# Altium PCB novena_evt1_a.PcbDoc (part 5 of 12)
Units mm, origin at the board's own origin, x right, y up, seen from the top; angles counter-clockwise.
Board outline 121 x 150 mm, 10 copper layers (Top, L2-GND, L3, L4, L5-PWR, L6-PWR, L7, L8, L9-GND, Bot), stack 1.621 mm thick; 951 components, 714 nets, 4891 pads, 2105 vias.
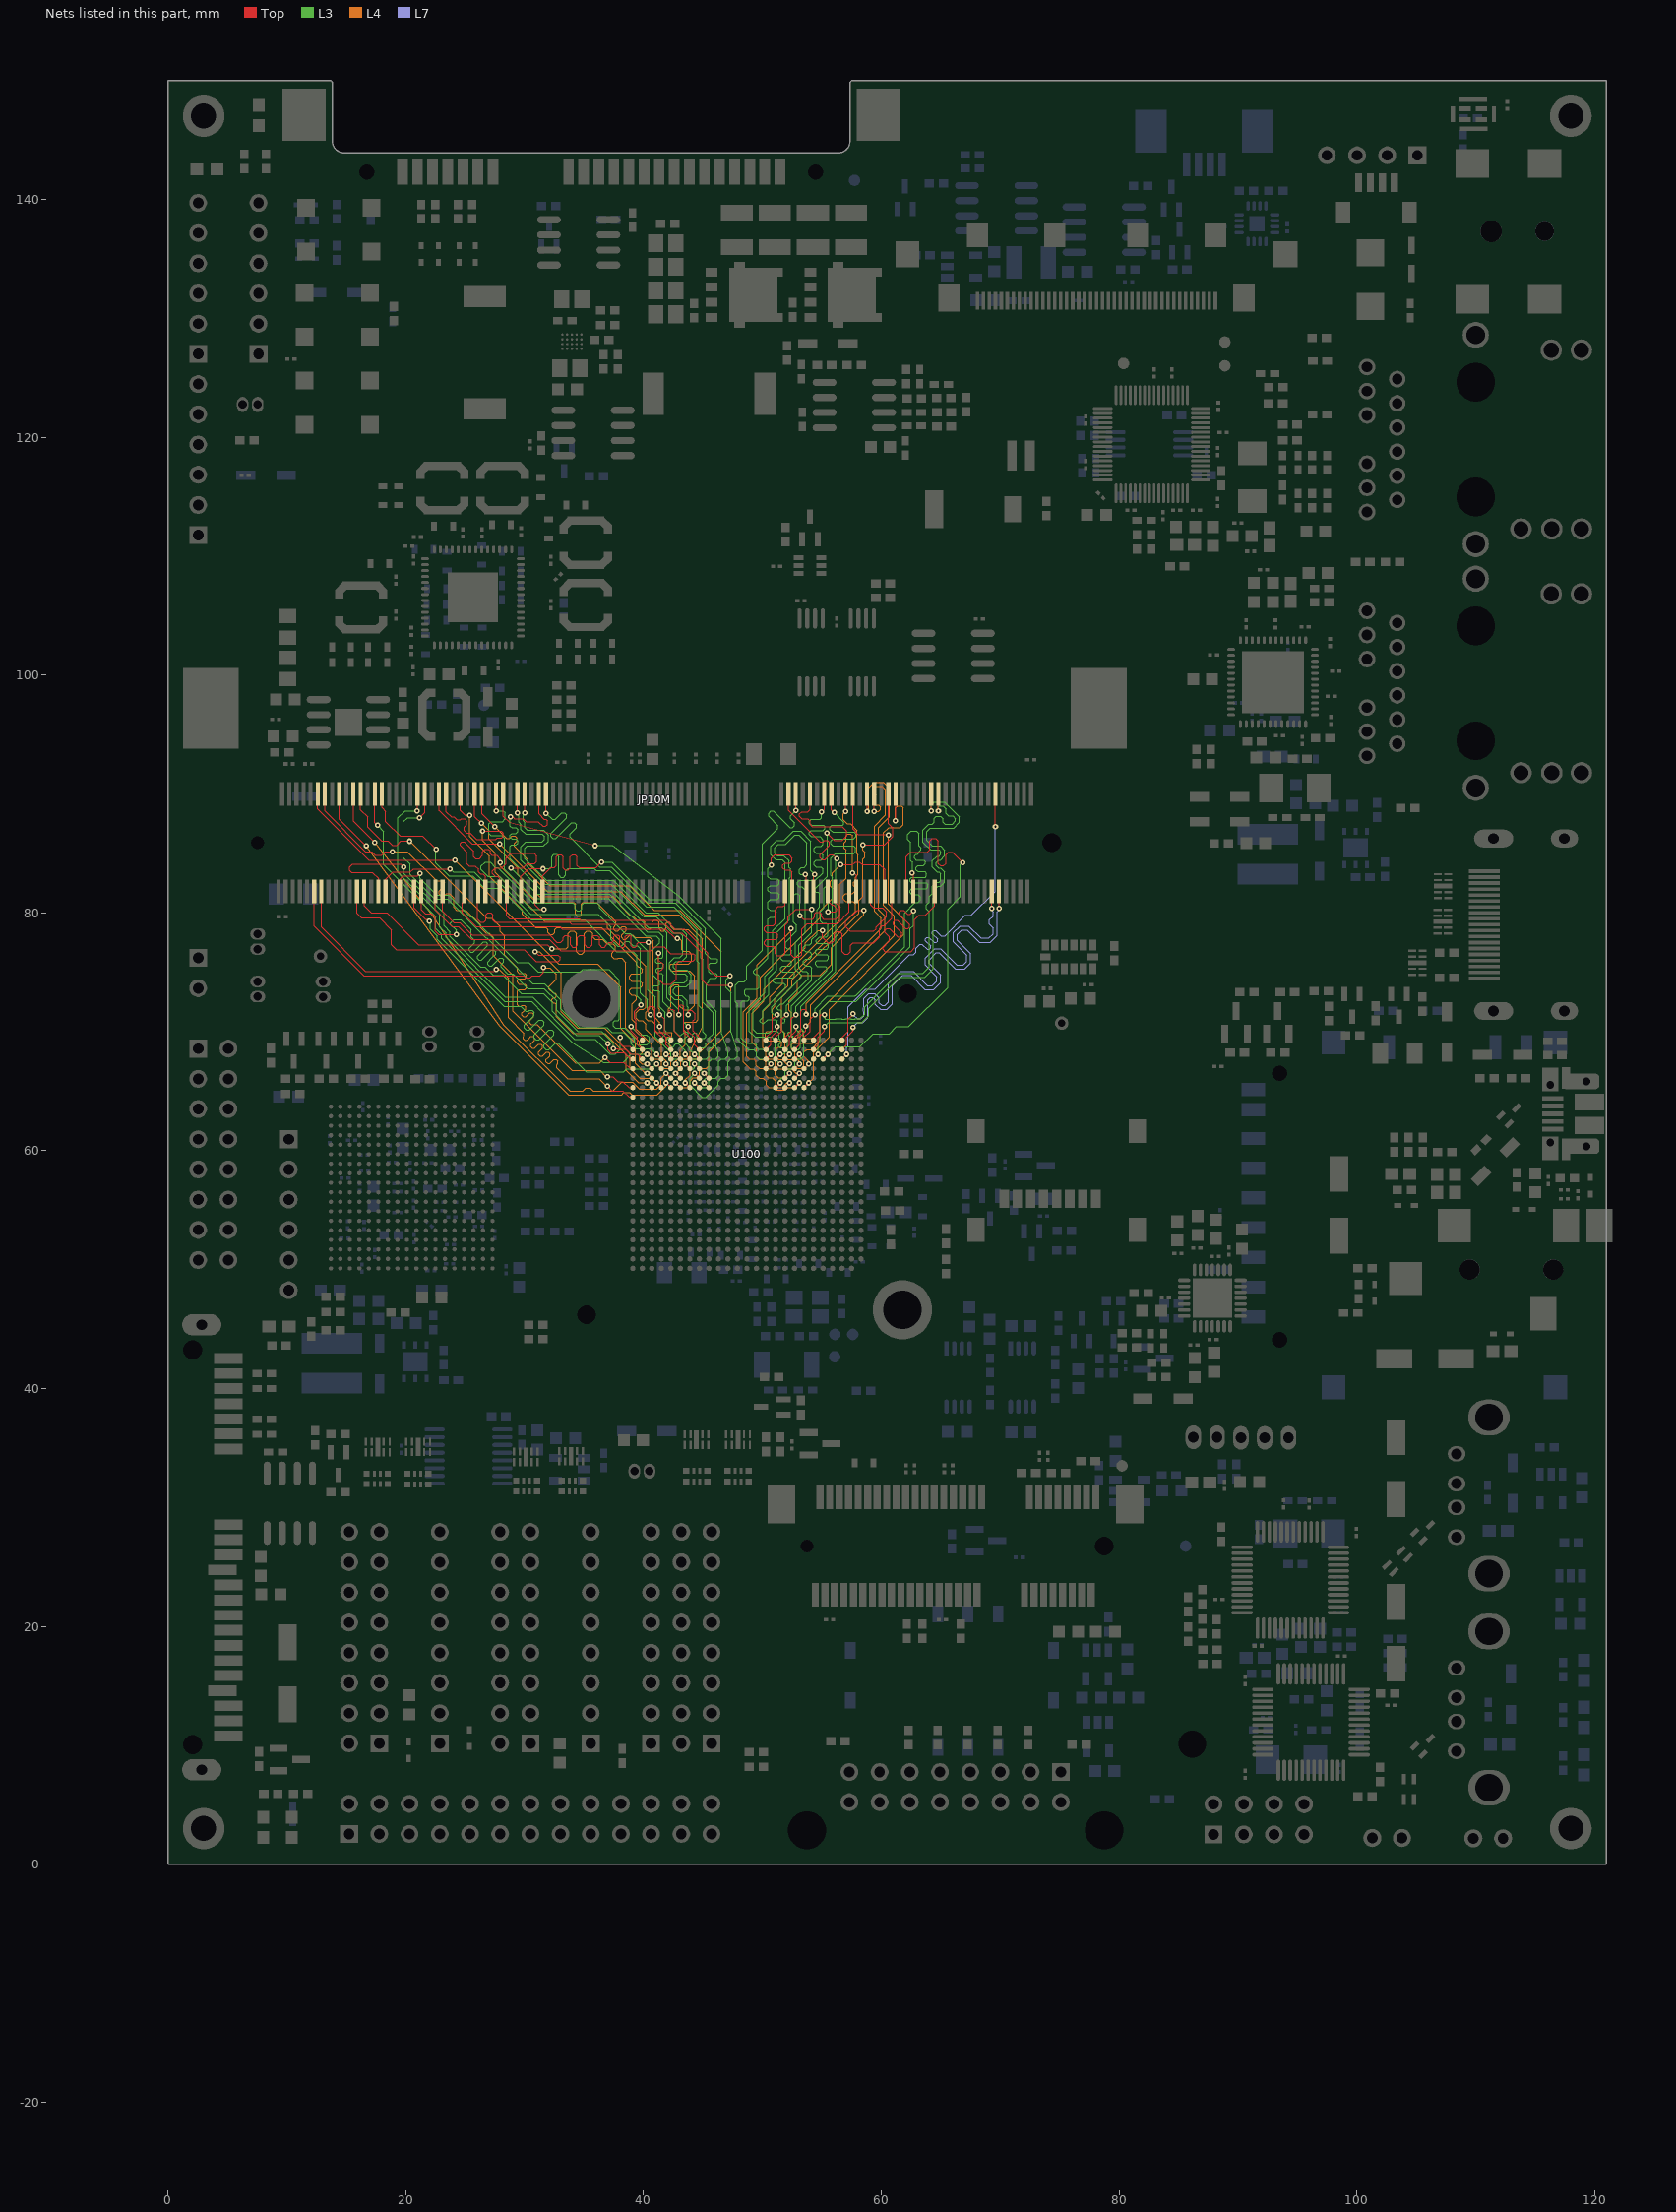
[diagram p13: the nets of this part, all layers, seen from the top]

## Via types
v1: diameter 0.508, hole 0.254, Top to Bot, tented both sides, 940 vias
v2: diameter 0.457, hole 0.203, Top to Bot, tented both sides, 793 vias
v3: diameter 0.762, hole 0.381, Top to Bot, tented both sides, 325 vias
v4: diameter 0.66, hole 0.33, Top to Bot, tented both sides, 23 vias
v5: diameter 0.66, hole 0.33, Top to Bot, tented top, 16 vias
v6: diameter 0.5, hole 0.254, Top to Bot, tented both sides, 8 vias

## Nets (pads, with @x,y where several pads share a name; then routed paths per layer and width w, separated by ;. In a path a pad name is that pad's centre, name@x,y a point inside that pad or via, vN(x,y) a via of type N, cw(c..) or ccw(c..) an arc to the next point about the centre after c; other vN are vias at no path point) (continued)
DDR3_D14: JP10M.34 U100.AE7 | length 36.1
  Top w0.096: U100.AE7@53.5,69.3 53.5,69.52 54.023,70.043 54.023,71.042 v2@54.428,71.448 ; v2(62.593,83.367) 62.702,83.257 JP10M.34@62.702,81.814
  L3 w0.096: v2@54.428,71.448 54.428,71.933 55.481,72.986 57.767,72.986 57.817,73.036 57.867,73.036 61.958,77.126 61.958,79.976 62.856,80.875 63.096,80.875 63.3,81.079 63.3,81.325 63.084,81.541 62.558,81.541 62.413,81.686 62.413,81.879 62.558,82.024 63.778,82.024 63.923,82.169 63.923,82.362 63.778,82.506 62.558,82.506 62.413,82.651 62.413,82.844 62.558,82.989 63.706,82.989 63.808,83.09 63.808,83.327 63.663,83.472 63.071,83.472 62.927,83.616 62.927,83.81 63.071,83.954 63.52,83.954 63.703,84.138 63.703,84.318 63.584,84.437 62.921,84.437 62.777,84.582 62.777,84.775 62.921,84.919 63.03,84.919 63.175,85.064 63.175,85.151 63.33,85.306 63.33,85.479 63.175,85.634 63.175,86.675 62.975,86.875 62.525,86.875 62.225,86.575 62.225,86.175 62.475,85.925 62.475,84.4 62.625,84.25 62.625,83.399 v2(62.593,83.367)
  other v2: 54.45,71.448
DDR3_D15: JP10M.36 U100.AC5 | length 36.1
  Top w0.096: U100.AC5@55.1,67.7 v2(55.5,68.1) ; JP10M.36@62.102,81.814 62.102,84.738 62.466,85.101 63.88,85.101 64.086,85.307 64.086,86.045 64.291,86.25 64.566,86.25 64.771,86.045 64.771,84.158 64.977,83.952 65.251,83.952 65.457,84.158 65.457,84.896 65.663,85.101 65.971,85.101 v2(66.834,84.238)
  L3 w0.096: v2(55.5,68.1) 56.144,68.744 58.208,68.744 59.3,69.836 60.688,69.836 61.272,70.42 62.313,70.42 65.59,73.697 65.59,80.29 66.66,81.36 66.66,84.063 v2(66.834,84.238)
DDR3_D16: JP10M.39 U100.AB7 | length 31.4
  Top w0.096: U100.AB7@53.5,66.9 v2(53.9,67.3) ; v2(61.196,87.743) 61.196,87.718 61.202,87.724 JP10M.39@61.202,90.014
  L4 w0.096: v2(53.9,67.3) 53.9,67.505 53.499,67.906 53.499,68.271 53.728,68.499 54.084,68.499 54.846,69.262 54.846,71.821 61.1,78.075 61.1,79.7 60.18,80.62 60.18,86.727 60.626,87.174 61.599,87.174 61.825,87.4 61.825,88.85 61.675,89 61.371,89 61.196,88.825 v2(61.196,87.743)
DDR3_D17: JP10M.41 U100.AC8 | length 31.4
  Top w0.096: U100.AC8@52.7,67.7 v2(53.1,68.1) ; v2(58.452,85.711) 60.286,85.711 60.975,86.4 60.975,87.125 60.602,87.499 JP10M.41@60.602,90.014
  L4 w0.096: v2(53.1,68.1) 53.1,67.924 53.499,67.525 53.499,67.118 53.3,66.919 52.942,66.919 52.719,67.142 52.719,67.445 52.483,67.681 52.124,67.681 51.902,67.902 51.902,69.858 51.62,70.141 51.62,72.884 52.509,73.773 52.509,74.357 58.122,79.971 58.122,81.037 58.452,81.368 58.452,84.508 58.603,84.659 58.603,85.105 58.452,85.255 v2(58.452,85.711)
DDR3_D18: JP10M.51 U100.Y7 | length 31.4
  Top w0.096: U100.Y7@53.5,65.3 v2(53.9,65.7) ; JP10M.51@57.602,90.014 57.602,87.023 58.05,86.575 60.561,86.575 v2(60.586,86.549)
  L4 w0.096: v2(53.9,65.7) 54.312,66.112 54.312,68.261 55.625,69.574 55.625,71.9 61.9,78.175 61.9,79.45 60.586,80.764 v2(60.586,86.549)
DDR3_D19: JP10M.53 U100.AB9 | length 31.4
  Top w0.096: U100.AB9@51.9,66.9 v2(52.3,67.3) ; v2(57.002,88.533) JP10M.53@57.002,90.014
  L4 w0.096: v2(52.3,67.3) 52.039,67.3 51.658,67.681 51.362,67.681 51.086,67.956 51.086,68.464 51.315,68.693 51.493,68.693 51.62,68.82 51.62,69.099 51.467,69.252 50.451,69.252 50.274,69.43 50.274,69.911 50.393,70.03 50.713,70.03 50.832,70.149 50.832,71.906 51.042,72.116 51.042,72.763 52.153,73.875 52.153,74.459 57.817,80.123 57.817,80.73 57.612,80.935 57.004,80.935 56.798,81.141 56.798,81.416 57.004,81.621 57.575,81.621 57.817,81.864 57.817,82.125 57.675,82.267 57.675,82.558 57.817,82.7 57.817,82.996 58.046,83.225 58.046,84.873 57.97,84.949 57.97,86.905 57.4,87.475 57.125,87.475 56.775,87.825 56.775,88.306 v2(57.002,88.533)
DDR3_D20: JP10M.40 U100.AA9 | length 31.4
  Top w0.096: U100.AA9@51.9,66.1 v2(52.3,66.5) ; v2(55.049,78.523) 55.049,77.925 55.499,77.475 55.837,77.475 56.043,77.681 56.043,78.24 56.249,78.445 56.523,78.445 56.729,78.24 56.729,76.71 56.934,76.505 57.209,76.505 57.415,76.71 57.415,77.269 57.62,77.475 59.35,77.475 59.85,77.975 59.85,78.679 60.1,78.929 60.281,78.929 60.891,79.539 60.891,80.431 60.902,80.442 JP10M.40@60.902,81.814
  L4 w0.096: v2(52.3,66.5) 51.919,66.119 51.342,66.119 51.086,66.375 51.086,66.653 50.858,66.881 50.482,66.881 50.281,67.082 50.281,67.458 50.058,67.681 49.742,67.681 49.738,67.677 49.512,67.904 49.512,68.744 49.126,69.129 49.126,71.559 50.147,72.579 50.147,73.57 53.626,77.05 53.626,77.481 54.668,78.523 v2(55.049,78.523)
DDR3_D21: JP10M.42 U100.Y9 | length 31.4
  Top w0.096: U100.Y9@51.9,65.3 v2(52.3,65.7) ; v2(56.575,84.05) 57.6,84.05 57.825,84.275 58.175,84.275 58.4,84.05 59.875,84.05 60.302,83.623 JP10M.42@60.302,81.814
  L4 w0.096: v2(52.3,65.7) 52.081,65.7 51.696,65.315 51.34,65.315 51.112,65.543 51.112,65.827 50.82,66.119 50.485,66.119 50.281,66.323 50.281,66.679 50.041,66.919 49.742,66.919 49.486,67.175 49.486,67.525 49.292,67.719 48.885,67.719 48.699,67.906 48.699,71.563 49.842,72.706 49.842,74.592 54.84,79.59 54.84,80.165 55.875,81.2 55.875,82.065 55.707,82.233 55.707,82.664 55.875,82.832 55.875,83.35 v2(56.575,84.05)
DDR3_D22: JP10M.50 U100.AA8 | length 31.4
  Top w0.096: U100.AA8@52.7,66.1 v2(53.1,66.5) ; v2(57.563,83.349) 57.69,83.349 57.902,83.137 JP10M.50@57.902,81.814
  L4 w0.096: v2(53.1,66.5) 52.839,66.5 52.458,66.881 51.273,66.881 51.086,67.067 51.086,67.525 50.909,67.702 50.524,67.702 50.281,67.946 50.281,68.406 50.045,68.642 50.045,71.716 50.629,72.3 50.629,72.935 51.721,74.027 51.721,74.586 56.497,79.361 56.497,82.384 57.025,82.912 57.025,85.278 56.868,85.435 56.868,85.886 57.025,86.042 57.025,86.475 57.175,86.625 57.425,86.625 57.563,86.487 v2(57.563,83.349)
DDR3_D23: JP10M.52 U100.Y8 | length 31.5
  Top w0.096: v2(52.407,78.675) 52.407,76.493 52.625,76.275 53.075,76.275 53.3,76.5 53.3,78.625 53.782,79.107 56.319,79.107 57.302,80.09 JP10M.52@57.302,81.814 ; U100.Y8@52.7,65.3 v2(53.1,65.7)
  L4 w0.096: v2(52.407,78.675) 52.407,78.472 49.537,75.602 49.537,72.833 48.394,71.69 48.394,67.448 48.953,66.89 49.25,66.89 49.481,66.658 49.481,66.361 49.761,66.081 50.066,66.081 50.319,65.828 50.319,65.523 50.523,65.319 50.93,65.319 51.163,65.086 51.925,65.086 52.153,65.315 52.715,65.315 v2(53.1,65.7)
DDR3_D24: JP10M.57 U100.AE9 | length 31.4
  Top w0.096: U100.AE9@51.9,69.3 51.9,69.52 52.423,70.043 52.423,71.042 v2(52.828,71.448) ; JP10M.57@55.802,90.014 55.802,88.666 v2(56.039,88.429)
  L3 w0.096: v2(52.828,71.448) 52.828,72.136 55.883,75.191 55.883,82.999 55.757,83.125 55.757,84.606 56.126,84.975 57.675,84.975 57.825,85.125 57.825,85.45 57.658,85.617 55.932,85.617 55.757,85.792 55.757,86.026 55.932,86.201 57.67,86.201 57.874,86.405 57.874,86.617 57.705,86.786 55.907,86.786 55.683,87.009 55.683,87.194 55.858,87.37 56.77,87.37 56.85,87.45 56.85,87.618 v2(56.039,88.429)
DDR3_D25: JP10M.59 U100.AE11 | length 31.4
  Top w0.096: U100.AE11@50.3,69.3 50.3,69.52 50.823,70.043 50.823,71.042 v2(51.228,71.448) ; v2(54.973,88.48) 55.202,88.709 JP10M.59@55.202,90.014
  L3 w0.096: v2(51.228,71.448) 50.948,71.448 50.782,71.614 50.782,72.082 53.271,74.571 53.271,74.738 52.763,75.246 52.763,77.507 53.6,78.344 53.6,81.9 53.3,82.2 53.075,82.2 52.925,82.35 52.925,82.55 53.1,82.725 54.447,82.725 55.082,83.36 55.082,83.684 54.925,83.842 54.529,83.842 54.353,84.017 54.353,84.251 54.529,84.426 54.925,84.426 55.1,84.602 55.1,84.835 54.925,85.011 54.529,85.011 54.353,85.186 54.353,85.419 54.529,85.595 54.925,85.595 55.1,85.77 55.1,86.144 54.828,86.416 54.101,86.416 53.957,86.561 53.957,86.754 54.101,86.899 55.09,86.899 55.278,87.087 55.278,87.237 55.134,87.381 54.101,87.381 53.957,87.526 53.957,87.719 54.101,87.864 54.844,87.864 54.973,87.993 v2(54.973,88.48)
DDR3_D26: JP10M.67 U100.AB11 | length 31.4
  Top w0.096: U100.AB11@50.3,66.9 v2(50.7,67.3) ; v2(52.802,88.598) JP10M.67@52.802,90.014
  L3 w0.096: 47.911,71.945 47.911,69.379 48.8,68.49 49.283,68.49 49.512,68.261 49.512,67.931 49.74,67.702 50.299,67.702 v2(50.7,67.3) v2(50.7,67.3) ; 47.912,71.945 47.912,72.197 ; 47.911,72.198 47.911,72.323 47.734,72.501 47.734,73.918 48.038,74.223 48.475,74.223 48.675,74.423 48.675,75.525 49.994,76.844 49.994,85.79 51.297,87.093 51.297,87.341 50.525,88.113 50.525,88.35 50.725,88.55 50.915,88.55 52.307,87.157 52.532,87.157 52.716,87.341 52.716,87.575 52.371,87.92 52.371,88.167 v2(52.802,88.598)
DDR3_D27: JP10M.69 U100.Y10 | length 31.4
  Top w0.096: U100.Y10@51.1,65.3 v2(51.5,65.7) ; JP10M.69@52.202,90.014 52.202,88.591 54.84,85.953 55.088,85.953 55.223,86.088 55.453,86.088 55.626,85.915 55.626,85.665 54.83,84.869 54.83,84.622 54.995,84.456 55.243,84.456 55.666,84.879 55.914,84.879 v2(56.243,84.55)
  L3 w0.096: v2(51.5,65.7) 51.5,65.948 51.902,66.35 51.902,66.662 52.139,66.899 52.443,66.899 52.72,67.175 52.72,67.462 52.964,67.706 53.251,67.706 53.499,67.955 53.499,70.014 53.245,70.268 53.245,72.122 56.178,75.055 56.178,83.138 56.159,83.157 56.159,84.484 v2@56.225,84.55
DDR3_D28: JP10M.56 U100.AD11 | length 31.4
  Top w0.096: U100.AD11@50.3,68.5 50.7,68.9 50.7,69.523 51.228,70.051 v2(51.228,70.432) ; v2(53.144,79.767) 53.436,79.475 54.217,79.475 54.392,79.65 54.392,79.925 54.517,80.05 54.826,80.05 54.976,79.9 54.976,79.65 55.152,79.475 56.175,79.475 56.55,79.85 56.55,80.475 56.1,80.925 JP10M.56@56.1,81.8 ; JP10M.56@56.102,81.8 JP10M.56@56.102,81.814
  L3 w0.096: v2(51.228,70.432) 51.228,70.939 51.137,71.03 50.451,71.03 50.096,70.674 49.994,70.674 49.816,70.852 49.816,70.979 50.045,71.208 50.045,71.82 51.95,73.725 51.95,73.918 51.805,74.063 51.079,74.063 50.934,74.208 50.934,74.401 51.079,74.546 52.554,74.546 52.699,74.69 52.699,74.884 52.554,75.028 51.688,75.028 51.543,75.173 51.543,75.366 51.688,75.511 52.316,75.511 52.461,75.656 52.461,75.849 52.316,75.994 51.688,75.994 51.543,76.138 51.543,76.331 51.688,76.476 52.316,76.476 52.461,76.621 52.461,76.814 52.316,76.959 52.095,76.959 51.95,77.103 51.95,77.532 52.871,78.454 52.871,78.954 52.625,79.2 52.625,81.45 52.8,81.625 52.95,81.625 53.144,81.431 v2(53.144,79.767)
DDR3_D29: JP10M.58 U100.AD9 | length 31.5
  Top w0.096: U100.AD9@51.9,68.5 52.3,68.9 52.3,69.523 52.828,70.051 v2(52.828,70.432) ; v2(55.5,80.075) 56.123,80.075 56.248,80.2 56.248,80.35 55.951,80.648 55.862,80.648 55.5,81.009 JP10M.58@55.5,81.8
  L3 w0.096: v2(52.828,70.432) 52.828,70.177 53.195,69.811 53.195,68.668 53.017,68.49 52.61,68.49 52.433,68.668 52.433,69.226 52.585,69.379 52.585,69.607 52.534,69.658 52.229,69.658 52.153,69.734 52.153,69.912 52.204,69.963 52.356,69.963 52.433,70.039 52.433,72.173 54.85,74.59 54.855,74.59 55.431,75.165 55.431,75.359 55.286,75.503 54.606,75.503 54.461,75.648 54.461,75.841 54.606,75.986 55.411,75.986 55.556,76.131 55.556,76.324 55.411,76.469 54.606,76.469 54.461,76.613 54.461,76.806 54.606,76.951 55.411,76.951 55.556,77.096 55.556,77.289 55.411,77.434 54.641,77.434 54.525,77.55 54.525,77.699 54.813,77.987 55.387,77.987 55.502,78.102 55.502,78.997 55.357,79.141 55.038,79.141 54.893,79.286 54.893,80.142 55.162,80.41 55.162,82.062 55.3,82.2 55.456,82.2 55.556,82.1 55.556,80.131 v2(55.5,80.075)
DDR3_D30: JP10M.68 U100.AC11 | length 31.4
  Top w0.096: U100.AC11@50.3,67.7 50.662,68.062 v2@50.662,68.1 ; v2(50.756,84.009) 50.756,84.606 51.025,84.875 52.225,84.875 52.502,84.598 52.502,84.352 52.326,84.176 51.894,84.176 51.719,84.001 51.719,83.767 51.894,83.592 52.326,83.592 52.502,83.417 JP10M.68@52.502,81.814
  L3 w0.096: v2@50.662,68.1 50.222,68.541 49.631,68.541 49.512,68.66 49.512,68.904 49.393,69.023 48.673,69.023 48.242,69.455 48.242,72.478 48.367,72.603 48.757,72.603 48.877,72.722 48.877,72.891 48.757,73.01 48.615,73.01 48.496,73.129 48.496,73.468 48.597,73.57 49.562,73.57 49.715,73.722 49.715,74.702 49.596,74.821 49.377,74.821 49.258,74.94 49.258,75.108 49.457,75.308 49.573,75.308 50.477,76.211 50.477,79.444 50.65,79.618 50.995,79.618 51.168,79.791 51.168,80.022 50.995,80.196 50.65,80.196 50.477,80.369 50.477,80.93 50.652,81.105 51.231,81.105 51.406,81.281 51.406,81.514 51.231,81.689 50.652,81.689 50.477,81.865 50.477,82.098 50.652,82.274 51.231,82.274 51.406,82.449 51.406,82.683 51.231,82.858 50.652,82.858 50.477,83.033 50.477,83.73 v2(50.756,84.009)
  other v2: 50.7,68.1
DDR3_D31: JP10M.70 U100.AC9 | length 31.4
  Top w0.096: U100.AC9@51.9,67.7 v2(52.3,68.1) ; JP10M.70@51.902,81.814 51.902,80.675 51.752,80.525 51.35,80.525 51.075,80.25 51.075,79.095 50.9,78.92 50.345,78.92 50.17,78.744 50.17,78.511 50.345,78.335 51.103,78.335 51.278,78.16 51.278,77.927 51.103,77.751 50.345,77.751 50.17,77.576 50.17,77.342 50.345,77.167 50.9,77.167 51.075,76.992 51.075,76.55 51.225,76.4 51.75,76.4 51.925,76.575 51.925,78.95 52.175,79.2 52.175,79.676 52.8,80.301 v2(54.134,80.301)
  L3 w0.096: v2(52.3,68.1) 52.131,68.269 52.131,68.563 52.128,68.566 52.128,69.201 52.026,69.303 51.899,69.303 51.823,69.379 51.823,69.912 51.62,70.115 51.62,70.649 51.747,70.776 51.848,70.776 51.925,70.852 51.925,71.03 51.848,71.106 51.696,71.106 51.62,71.182 51.62,71.741 51.518,71.843 51.315,71.843 51.239,71.919 51.239,72.046 51.544,72.351 51.747,72.351 53.855,74.459 53.855,74.916 53.677,75.094 53.347,75.094 53.068,75.373 53.068,77.278 54.134,78.345 v2(54.134,80.301)
DDR3_D32: JP10M.129 U100.AA17 | length 39
  Top w0.096: v2(31.8,88.375) 31.802,88.377 JP10M.129@31.802,90.014 ; v2(45.1,66.5) U100.AA17@45.5,66.1
  L3 w0.096: v2(31.8,88.375) 32.32,87.855 32.568,87.855 33.102,88.389 33.35,88.389 33.515,88.223 33.515,87.976 32.199,86.66 32.199,86.412 32.365,86.247 32.613,86.247 33.928,87.562 34.176,87.562 34.341,87.397 34.341,87.149 33.807,86.616 33.807,86.368 36.318,83.857 37.311,83.857 40.36,80.809 42.659,80.809 44.838,78.63 44.838,76.211 44.99,76.059 44.99,73.875 ; 44.99,73.875 44.99,72.954 44.99,72.448 45.854,71.584 45.854,69.836 45.498,69.48 45.498,69.192 45.618,69.073 45.76,69.073 45.879,68.954 45.879,68.785 45.76,68.666 45.618,68.666 45.498,68.547 45.498,67.906 45.295,67.702 44.94,67.702 44.686,67.448 44.686,66.915 v2(45.1,66.5)
DDR3_D33: JP10M.131 U100.AE19 | length 39.2
  Top w0.096: v2@28.775,88.05 29.024,88.05 29.15,87.924 29.876,87.924 30.15,87.65 31.15,87.65 31.525,87.275 31.75,87.275 31.9,87.425 31.9,87.75 31.775,87.875 31.625,87.875 31.2,88.3 JP10M.131@31.2,90 ; JP10M.131@31.202,90 JP10M.131@31.202,90.014 ; v2(42.972,71.448) 42.972,72.161 43.085,72.274 43.238,72.274 43.377,72.135 43.377,70.043 43.9,69.52 U100.AE19@43.9,69.3
  L3 w0.096: v2@28.775,88.05 28.775,87.303 28.92,87.159 29.279,87.159 29.423,87.014 29.423,86.821 29.279,86.676 28.92,86.676 28.775,86.531 28.775,86.338 28.92,86.194 29.279,86.194 29.423,86.049 29.423,85.856 29.279,85.711 28.911,85.711 28.775,85.575 28.775,84.553 31.452,81.876 37.299,81.876 40.424,78.751 41.511,78.751 41.968,78.294 41.968,72.832 42.972,71.828 v2(42.972,71.448)
  other v2: 28.8,88.075
DDR3_D34: JP10M.141 U100.Y18 | length 39.1
  Top w0.096: JP10M.141@28.202,90.014 28.202,88.12 28.711,87.611 v2(35.938,85.65) ; v2(44.3,65.7) U100.Y18@44.7,65.3
  L3 w0.096: v2(35.938,85.65) 37.4,85.65 42.909,81.463 46.537,77.835 46.537,71.978 46.55,71.965 46.55,69.799 47.099,68.261 47.099,67.949 46.865,67.715 46.527,67.715 46.311,67.499 46.311,66.337 46.077,66.102 45.752,66.102 45.498,65.848 45.498,65.524 45.286,65.311 44.689,65.311 v2(44.3,65.7)
DDR3_D35: JP10M.143 U100.AC19 | length 39.2
  Top w0.096: JP10M.143@27.602,90.014 27.602,88.596 v2(27.617,88.581) ; v2(43.5,68.1) U100.AC19@43.9,67.7
  L3 w0.096: v2(27.617,88.581) 28.194,88.581 28.35,88.425 28.35,87.892 28.133,87.675 27.2,87.675 27,87.475 27,86.675 27.175,86.5 28.075,86.5 28.328,86.247 28.328,83.654 30.792,81.19 37.06,81.19 40.21,78.04 41.079,78.04 41.358,77.761 41.358,77.481 40.723,76.846 40.723,74.827 41.346,74.204 41.346,73.976 41.226,73.857 40.893,73.857 40.774,73.738 40.774,73.57 40.893,73.451 41.226,73.451 41.346,73.331 41.346,72.084 41.79,71.639 41.79,70.115 41.879,70.027 41.879,69.858 41.59,69.569 41.59,69.401 41.709,69.282 41.878,69.282 42.166,69.571 42.335,69.571 42.454,69.452 42.454,69.283 42.165,68.994 42.165,68.826 42.284,68.707 42.453,68.707 42.741,68.995 42.91,68.995 43.5,68.405 v2(43.5,68.1)
DDR3_D36: JP10M.130 U100.Y17 | length 39
  Top w0.096: JP10M.130@31.502,81.814 31.502,83.093 32.208,83.8 32.492,83.8 32.667,83.975 32.667,84.728 32.842,84.903 33.076,84.903 33.251,84.728 33.251,83.755 33.427,83.58 33.66,83.58 33.836,83.755 33.836,84.728 34.011,84.903 34.244,84.903 34.42,84.728 34.42,83.975 34.595,83.8 36,83.8 v2@36.45,84.25 ; v2(45.1,65.7) U100.Y17@45.5,65.3
  L3 w0.096: v2@36.45,84.25 37.345,84.25 40.485,81.11 42.784,81.11 45.219,78.675 45.219,76.568 45.618,76.169 46.116,76.169 46.235,76.05 46.235,75.882 46.116,75.763 45.618,75.763 45.498,75.644 45.498,75.016 45.618,74.897 46.09,74.897 46.21,74.778 46.21,74.61 46.09,74.49 45.618,74.49 45.498,74.371 45.498,74.205 45.295,74.002 45.295,72.827 45.295,72.574 46.133,71.736 46.133,68.617 46.286,68.464 46.286,67.906 46.083,67.702 45.752,67.702 45.498,67.448 45.498,66.305 45.1,65.907 v2(45.1,65.7)
  other v2: 36.475,84.275
DDR3_D37: JP10M.132 U100.AB19 | length 39
  Top w0.096: JP10M.132@30.9,81.8 30.9,80.65 31.246,80.304 v2(31.633,80.304) ; v2(43.5,67.3) U100.AB19@43.9,66.9
  L3 w0.096: v2(31.633,80.304) 30.596,80.304 27.85,83.05 26.925,83.05 26.35,83.625 26.35,83.925 26.7,84.275 27.1,84.275 27.55,83.825 27.73,83.825 30.721,80.834 34.051,80.834 34.226,80.659 34.226,80.346 34.402,80.171 34.635,80.171 34.81,80.346 34.81,80.659 34.986,80.834 36.116,80.834 36.3,80.65 36.3,80.425 38.462,78.263 38.888,78.263 40.368,76.784 40.368,73.519 40.977,72.909 40.977,69.557 42.053,68.481 42.058,68.481 42.281,68.258 42.281,68.253 42.298,68.236 42.298,67.88 42.464,67.715 43.085,67.715 v2(43.5,67.3)
DDR3_D38: JP10M.140 U100.AA18 | length 39.2
  Top w0.096: JP10M.140@28.5,81.8 28.5,79.75 28.748,79.502 34.598,79.502 34.725,79.375 41.9,79.375 42.634,78.641 43.409,78.641 45.425,76.625 45.425,75.35 46.075,74.7 v2(47.275,74.7) ; v2(44.3,66.5) U100.AA18@44.7,66.1
  L3 w0.096: v2(44.3,66.5) 43.901,66.101 43.901,65.515 44.918,64.498 45.253,64.498 46.281,65.527 46.281,65.82 46.542,66.081 46.845,66.081 47.099,66.335 47.099,67.474 47.327,67.702 47.657,67.702 47.886,67.931 47.886,68.287 47.375,69.931 47.375,73.283 46.947,73.711 46.947,74.372 v2(47.275,74.7)
DDR3_D39: JP10M.142 U100.AC18 | length 39.1
  Top w0.096: JP10M.142@27.902,82.175 27.902,82.898 27.725,83.075 27.525,83.075 27.275,83.325 27.275,83.5 27.53,83.755 28.08,83.755 28.45,84.125 28.45,84.6 28.85,85 30.8,85 31.025,84.775 31.025,84.3 30.85,84.125 30.225,84.125 29.855,83.755 v2(28.861,83.755) ; v2(44.3,68.1) U100.AC18@44.7,67.7
  L3 w0.096: v2(28.861,83.755) 31.046,81.571 37.129,81.571 40.304,78.396 41.282,78.396 41.663,78.015 41.663,76.318 41.544,76.199 41.149,76.199 41.025,76.075 41.025,75.875 41.107,75.793 41.544,75.793 41.663,75.674 41.663,75.475 41.563,75.375 41.175,75.375 41.05,75.25 41.05,75.025 41.175,74.9 41.513,74.9 41.663,74.75 41.663,72.503 42.577,71.589 42.577,70.077 42.974,69.681 43.142,69.681 43.45,69.989 43.619,69.989 43.737,69.87 43.737,69.701 43.43,69.393 43.43,69.095 43.898,68.627 43.898,68.502 v2(44.3,68.1)
DDR3_D40: JP10M.147 U100.Y19 | length 40.7
  Top w0.096: JP10M.147@26.402,90.014 26.402,88.323 v2(27.49,87.235) ; v2(43.5,65.7) U100.Y19@43.9,65.3
  L4 w0.096: v2(27.49,87.235) 28.482,86.242 28.73,86.242 28.928,86.439 29.175,86.439 29.341,86.274 29.341,86.026 29.143,85.829 29.143,85.581 30.258,84.466 30.258,84.167 32.143,82.282 38.818,82.282 40.887,80.213 43.046,80.213 46.514,76.745 46.514,70.065 44.711,68.261 44.711,67.931 44.482,67.702 44.127,67.702 43.902,67.478 43.902,66.356 43.5,65.954 v2(43.5,65.7)
DDR3_D41: JP10M.149 U100.AB20 | length 40.7
  Top w0.096: JP10M.149@25.802,90.014 25.802,88.085 v2(26.372,87.514) ; v2(42.7,67.3) U100.AB20@43.1,66.9
  L4 w0.096: v2(26.372,87.514) 26.995,86.892 26.995,86.206 27.541,85.66 27.541,85.655 27.764,85.432 27.769,85.432 29.42,83.781 29.42,83.222 31.274,81.368 37.482,81.368 38.05,80.8 38.05,80.6 38.887,79.762 39.088,79.762 39.469,79.381 39.955,79.381 40.13,79.205 40.13,78.788 40.306,78.613 40.539,78.613 40.715,78.788 40.715,79.205 40.89,79.381 41.123,79.381 41.299,79.205 41.299,78.658 41.474,78.483 41.708,78.483 41.883,78.658 41.883,79.108 41.975,79.2 42.175,79.2 42.325,79.05 42.325,78.825 42.575,78.575 43.775,78.575 44.575,77.775 44.575,71.002 44.4,70.827 43.492,70.827 43.365,70.7 43.365,70.166 43.517,70.014 43.517,68.888 43.111,68.481 43.111,67.931 42.7,67.52 v2(42.7,67.3)